# EAGLE board Mk4 Final Panel 6up 3x2 (EAGLE 9.0.1), part 3 of 18
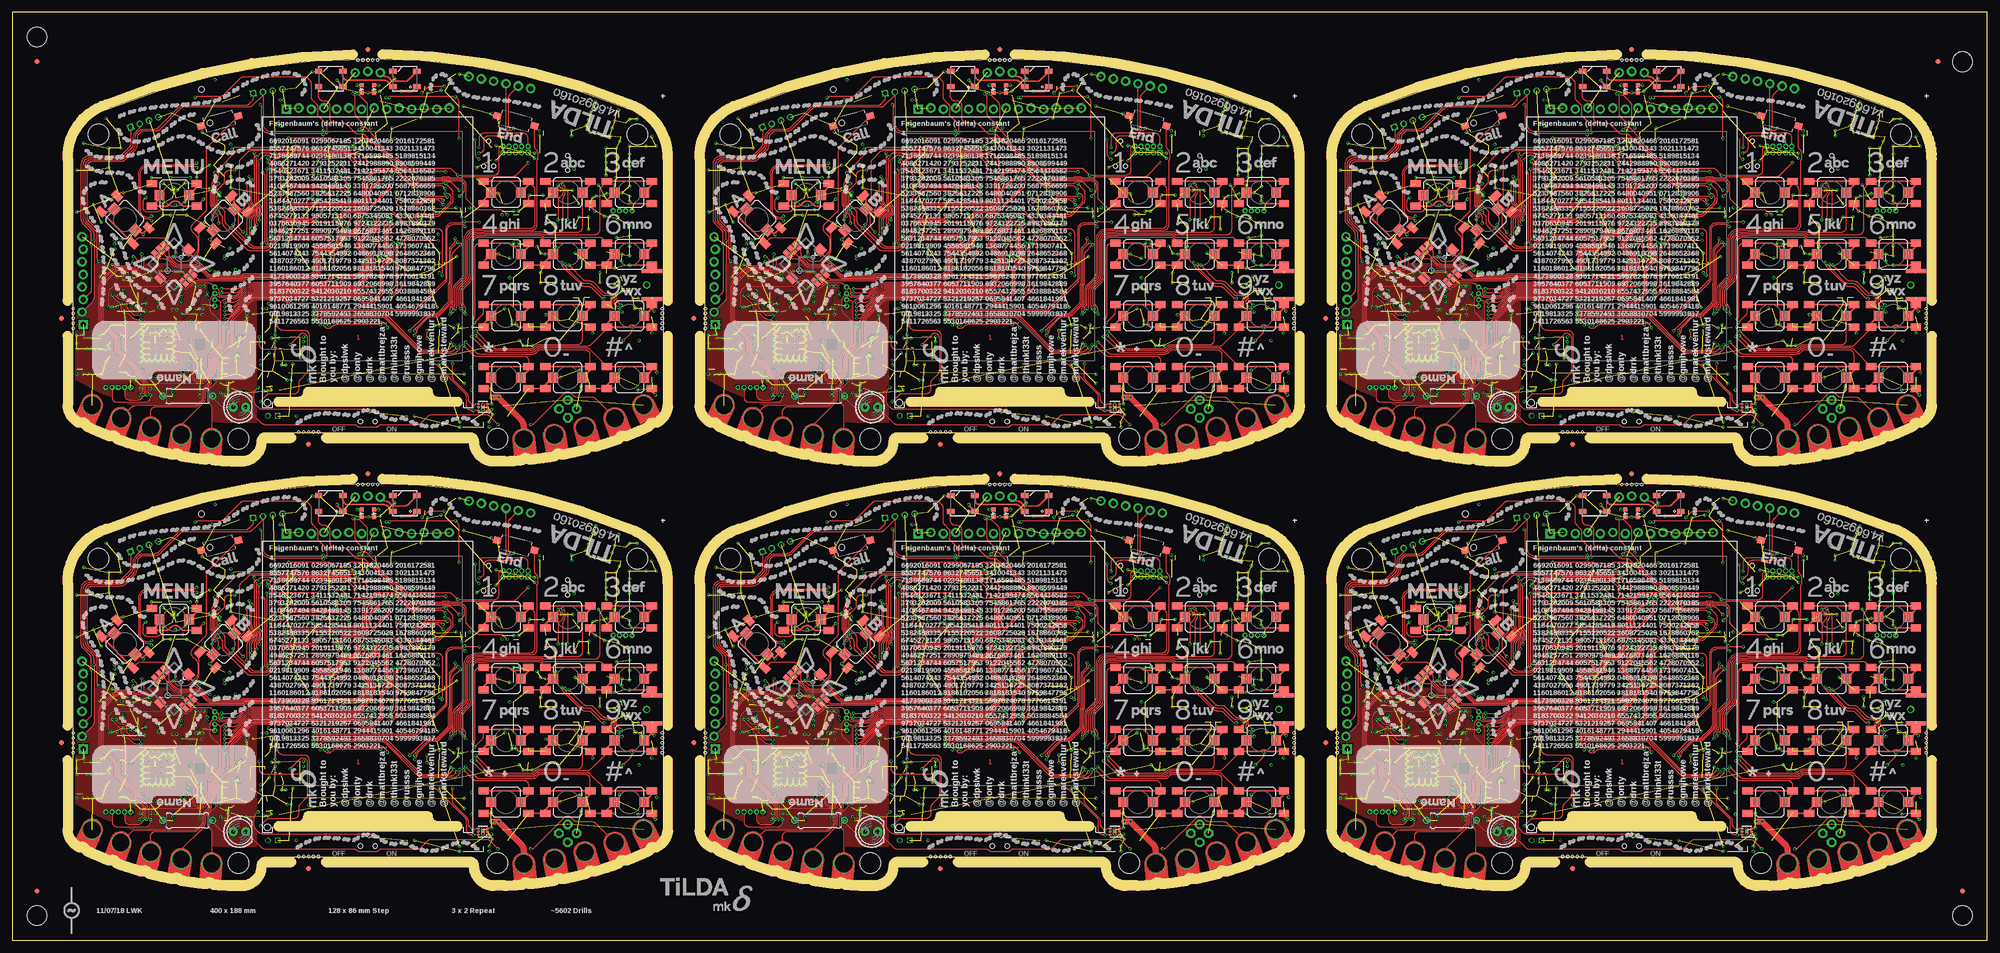
[diagram p0: board, top side]
## Placement (x,y rotation side) (continued)
R319  0402/1K/5%  [R0402-SMALLER]  312.5,79.5 270 bottom
R320  0402/1K/5%  [R0402-SMALLER]  313.5,79.5 270 bottom
R321  0402/4K87/5%  [R0402-SMALLER]  318.25,69.25 0 bottom
R322  0402/10K/5%  [R0402-SMALLER]  326.5,77.25 180 bottom
R323  0402/1M/5%  [R0402-SMALLER]  318.75,71.75 90 bottom
R324  0402/2K/5%  [R0402-SMALLER]  331.75,74.95 90 bottom
R325  0402/1M/5%  [R0402-SMALLER]  345.75,90 270 bottom
R326  0402/100R/5%  [R0402-SMALLER]  346.25,86.5 180 bottom
R327  0402/10K/5%  [R0402-SMALLER]  335.5,56.25 270 bottom
R328  0402/10K/5%  [R0402-SMALLER]  346,53.75 90 bottom
R329  [0309/10]  291.5,24.25 180 top
R330  0402/10K/5%  [R0402-SMALLER]  305.75,27.25 90 bottom
R331  0402/10K/5%  [R0402-SMALLER]  313.75,35.25 0 bottom
R332  0402/10K/5%  [R0402-SMALLER]  313.75,34.25 180 bottom
R333  0402/2K/5%  [R0402-SMALLER]  313.75,36.25 180 bottom
R334  0402/10K/5%  [R0402-SMALLER]  309.25,42.5 180 bottom
R335  0402/10K/5%  [R0402-SMALLER]  309.25,41.5 180 bottom
R336  0402/10K/5%  [R0402-SMALLER]  309.75,40 90 bottom
R337  0402/4K7/5%  [R0402-SMALLER]  314.05,60.25 90 bottom
R338  0402/4K7/5%  [R0402-SMALLER]  315.05,60.25 90 bottom
R339  0402/4K7/5%  [R0402-SMALLER]  340.25,61 180 bottom
R340  0402/4K7/5%  [R0402-SMALLER]  340.25,59.75 180 bottom
R341  0402/100K/5%  [R0402-SMALLER]  293,28.75 180 bottom
R342  0402/51R/5%  [R0402-SMALLER]  365.5,64.5 90 bottom
R343  0402/51R/5%  [R0402-SMALLER]  367.5,64.5 90 bottom
R344  0402/51R/5%  [R0402-SMALLER]  368.5,64.5 90 bottom
R345  0402/4K7/5%  [R0402-SMALLER]  374.5,42.75 180 bottom
R346  0402/100K/5%  [R0402-SMALLER]  356.5,41.5 90 bottom
R347  0402/1K/5%  [R0402-SMALLER]  358,53.25 180 bottom
R348  0402/5K6/5%  [R0402-SMALLER]  358,46.25 0 bottom
R349  0402/1K/5%  [R0402-SMALLER]  358,54.25 180 bottom
R350  0402/1K/5%  [R0402-SMALLER]  358,51.25 180 bottom
R351  0402/1K/5%  [R0402-SMALLER]  358,50.25 180 bottom
R352  0402/1K/5%  [R0402-SMALLER]  358,49.25 180 bottom
R353  0402/1K/5%  [R0402-SMALLER]  358,45.25 180 bottom
R354  0402/1K/5%  [R0402-SMALLER]  358,47.25 180 bottom
R355  0402/5K6/5%  [R0402-SMALLER]  358,48.25 0 bottom
R356  0402/5K6/5%  [R0402-SMALLER]  358,52.25 0 bottom
R357  0402/1K/5%  [R0402-SMALLER]  358,44.25 180 bottom
R358  0402/1K/5%  [R0402-SMALLER]  358,43.25 180 bottom
R359  0402/10K/5%  [R0402-SMALLER]  348.75,59 90 bottom
R360  0402/10K/5%  [R0402-SMALLER]  349.75,59 90 bottom
R361  0402/10K/5%  [R0402-SMALLER]  350.25,61.5 180 bottom
R362  0402/22K/5%  [R0402-SMALLER]  348.25,61.5 0 bottom
R363  0402/22K/5%  [R0402-SMALLER]  348.25,60.5 0 bottom
R364  0402/14K7/5%  [R0402-SMALLER]  348.5,70.75 180 bottom
R365  0402/7K87/5%  [R0402-SMALLER]  346.5,70.75 0 bottom
R366  0402/10K/5%  [R0402-SMALLER]  353.5,66.5 270 bottom
R367  0402/10K/5%  [R0402-SMALLER]  355.75,61.75 180 bottom
R368  0402/10K/5%  [R0402-SMALLER]  362.25,71.5 180 bottom
R369  0402/150K/1%  [R0402-SMALLER]  289.95,71.45 0 bottom
R370  0402/150K/1%  [R0402-SMALLER]  289.95,70.45 0 bottom
R371  0402/10K/5%  [R0402-SMALLER]  372,25.75 90 bottom
R372  0402/732K/5%  [R0402-SMALLER]  296.95,26.35 270 bottom
R373  0402/162K/5%  [R0402-SMALLER]  297.95,26.35 90 bottom
R374  0402/10K/5%  [R0402-SMALLER]  280,28.75 270 bottom
R375  0402/100K/5%  [R0402-SMALLER]  277.25,47.2 90 bottom
R376  0402/100K/5%  [R0402-SMALLER]  278.25,47.2 90 bottom
R377  0402/100K/5%  [R0402-SMALLER]  281,28.75 270 bottom
R378  0402/10K/5%  [R0402-SMALLER]  276.5,52.25 90 bottom
R379  0402/100K/5%  [R0402-SMALLER]  279,49.25 180 bottom
R380  0402/100K/5%  [R0402-SMALLER]  293,31.75 180 bottom
R381  0402/100K/5%  [R0402-SMALLER]  293,29.75 180 bottom
R382  0402/100K/5%  [R0402-SMALLER]  294.75,38.5 90 bottom
R383  0402/100K/5%  [R0402-SMALLER]  286.5,28.25 270 bottom
R384  0402/100K/5%  [R0402-SMALLER]  282,27 270 bottom
R385  0402/100K/5%  [R0402-SMALLER]  277.25,41 90 bottom
R386  0402/10K/5%  [R0402-SMALLER]  342,39.75 90 bottom
R387  0402/150K/1%  [R0402-SMALLER]  289.95,72.4 0 bottom
R388  0402/150K/1%  [R0402-SMALLER]  290,69.5 0 bottom
R389  0402/10K/5%  [R0402-SMALLER]  286.75,68.5 0 bottom
R390  0402/0R/5%  [R0402-SMALLER]  289,73.5 180 bottom
R469  0402/12R/5%  [R0402-SMALLER]  340.5,137 270 bottom
R470  0402/12R/5%  [R0402-SMALLER]  339.5,137 270 bottom
R471  0402/12R/5%  [R0402-SMALLER]  338.5,137 270 bottom
R472  0402/12R/5%  [R0402-SMALLER]  337.5,137 270 bottom
R473  0402/2K/5%  [R0402-SMALLER]  329.27,172.5 270 bottom
R474  0402/4K7/5%  [R0402-SMALLER]  326.73,172.5 270 bottom
R475  0402/1K/5%  [R0402-SMALLER]  312.5,165.5 270 bottom
R476  0402/1K/5%  [R0402-SMALLER]  313.5,165.5 270 bottom
R477  0402/4K87/5%  [R0402-SMALLER]  318.25,155.25 0 bottom
R478  0402/10K/5%  [R0402-SMALLER]  326.5,163.25 180 bottom
R479  0402/1M/5%  [R0402-SMALLER]  318.75,157.75 90 bottom
R480  0402/2K/5%  [R0402-SMALLER]  331.75,160.95 90 bottom
R481  0402/1M/5%  [R0402-SMALLER]  345.75,176 270 bottom
R482  0402/100R/5%  [R0402-SMALLER]  346.25,172.5 180 bottom
R483  0402/10K/5%  [R0402-SMALLER]  335.5,142.25 270 bottom
R484  0402/10K/5%  [R0402-SMALLER]  346,139.75 90 bottom
R485  [0309/10]  291.5,110.25 180 top
R486  0402/10K/5%  [R0402-SMALLER]  305.75,113.25 90 bottom
R487  0402/10K/5%  [R0402-SMALLER]  313.75,121.25 0 bottom
R488  0402/10K/5%  [R0402-SMALLER]  313.75,120.25 180 bottom
R489  0402/2K/5%  [R0402-SMALLER]  313.75,122.25 180 bottom
R490  0402/10K/5%  [R0402-SMALLER]  309.25,128.5 180 bottom
R491  0402/10K/5%  [R0402-SMALLER]  309.25,127.5 180 bottom
R492  0402/10K/5%  [R0402-SMALLER]  309.75,126 90 bottom
R493  0402/4K7/5%  [R0402-SMALLER]  314.05,146.25 90 bottom
R494  0402/4K7/5%  [R0402-SMALLER]  315.05,146.25 90 bottom
R495  0402/4K7/5%  [R0402-SMALLER]  340.25,147 180 bottom
R496  0402/4K7/5%  [R0402-SMALLER]  340.25,145.75 180 bottom
R497  0402/100K/5%  [R0402-SMALLER]  293,114.75 180 bottom
R498  0402/51R/5%  [R0402-SMALLER]  365.5,150.5 90 bottom
R499  0402/51R/5%  [R0402-SMALLER]  367.5,150.5 90 bottom
R500  0402/51R/5%  [R0402-SMALLER]  368.5,150.5 90 bottom
R501  0402/4K7/5%  [R0402-SMALLER]  374.5,128.75 180 bottom
R502  0402/100K/5%  [R0402-SMALLER]  356.5,127.5 90 bottom
R503  0402/1K/5%  [R0402-SMALLER]  358,139.25 180 bottom
R504  0402/5K6/5%  [R0402-SMALLER]  358,132.25 0 bottom
R505  0402/1K/5%  [R0402-SMALLER]  358,140.25 180 bottom
R506  0402/1K/5%  [R0402-SMALLER]  358,137.25 180 bottom
R507  0402/1K/5%  [R0402-SMALLER]  358,136.25 180 bottom
R508  0402/1K/5%  [R0402-SMALLER]  358,135.25 180 bottom
R509  0402/1K/5%  [R0402-SMALLER]  358,131.25 180 bottom
R510  0402/1K/5%  [R0402-SMALLER]  358,133.25 180 bottom
R511  0402/5K6/5%  [R0402-SMALLER]  358,134.25 0 bottom
R512  0402/5K6/5%  [R0402-SMALLER]  358,138.25 0 bottom
R513  0402/1K/5%  [R0402-SMALLER]  358,130.25 180 bottom
R514  0402/1K/5%  [R0402-SMALLER]  358,129.25 180 bottom
R515  0402/10K/5%  [R0402-SMALLER]  348.75,145 90 bottom
R516  0402/10K/5%  [R0402-SMALLER]  349.75,145 90 bottom
R517  0402/10K/5%  [R0402-SMALLER]  350.25,147.5 180 bottom
R518  0402/22K/5%  [R0402-SMALLER]  348.25,147.5 0 bottom
R519  0402/22K/5%  [R0402-SMALLER]  348.25,146.5 0 bottom
R520  0402/14K7/5%  [R0402-SMALLER]  348.5,156.75 180 bottom
R521  0402/7K87/5%  [R0402-SMALLER]  346.5,156.75 0 bottom
R522  0402/10K/5%  [R0402-SMALLER]  353.5,152.5 270 bottom
R523  0402/10K/5%  [R0402-SMALLER]  355.75,147.75 180 bottom
R524  0402/10K/5%  [R0402-SMALLER]  362.25,157.5 180 bottom
R525  0402/150K/1%  [R0402-SMALLER]  289.95,157.45 0 bottom
R526  0402/150K/1%  [R0402-SMALLER]  289.95,156.45 0 bottom
R527  0402/10K/5%  [R0402-SMALLER]  372,111.75 90 bottom
R528  0402/732K/5%  [R0402-SMALLER]  296.95,112.35 270 bottom
R529  0402/162K/5%  [R0402-SMALLER]  297.95,112.35 90 bottom
R530  0402/10K/5%  [R0402-SMALLER]  280,114.75 270 bottom
R531  0402/100K/5%  [R0402-SMALLER]  277.25,133.2 90 bottom
R532  0402/100K/5%  [R0402-SMALLER]  278.25,133.2 90 bottom
R533  0402/100K/5%  [R0402-SMALLER]  281,114.75 270 bottom
R534  0402/10K/5%  [R0402-SMALLER]  276.5,138.25 90 bottom
R535  0402/100K/5%  [R0402-SMALLER]  279,135.25 180 bottom
R536  0402/100K/5%  [R0402-SMALLER]  293,117.75 180 bottom
R537  0402/100K/5%  [R0402-SMALLER]  293,115.75 180 bottom
R538  0402/100K/5%  [R0402-SMALLER]  294.75,124.5 90 bottom
R539  0402/100K/5%  [R0402-SMALLER]  286.5,114.25 270 bottom
R540  0402/100K/5%  [R0402-SMALLER]  282,113 270 bottom
R541  0402/100K/5%  [R0402-SMALLER]  277.25,127 90 bottom
R542  0402/10K/5%  [R0402-SMALLER]  342,125.75 90 bottom
R543  0402/150K/1%  [R0402-SMALLER]  289.95,158.4 0 bottom
R544  0402/150K/1%  [R0402-SMALLER]  290,155.5 0 bottom
R545  0402/10K/5%  [R0402-SMALLER]  286.75,154.5 0 bottom
R546  0402/0R/5%  [R0402-SMALLER]  289,159.5 180 bottom
S1  SKPMAPE010  [SKPMAPE010-COMBINED]  100,65.5 0 top
S2  SKPMAPE010  [SKPMAPE010-COMBINED]  112.5,65.5 0 top
S3  SKPMAPE010  [SKPMAPE010-COMBINED]  125,65.5 0 top
S4  SKPMAPE010  [SKPMAPE010-COMBINED]  100,53 0 top
S5  SKPMAPE010  [SKPMAPE010-COMBINED]  112.5,53 0 top
S6  SKPMAPE010  [SKPMAPE010-COMBINED]  125,53 0 top
S7  SKPMAPE010  [SKPMAPE010-COMBINED]  100,40.5 0 top
S8  SKPMAPE010  [SKPMAPE010-COMBINED]  112.5,40.5 0 top
S9  SKPMAPE010  [SKPMAPE010-COMBINED]  125,40.5 180 top
S10  SKPMAPE010  [SKPMAPE010-COMBINED]  100,28 0 top
S11  SKPMAPE010  [SKPMAPE010-COMBINED]  112.5,28 0 top
S12  SKPMAPE010  [SKPMAPE010-COMBINED]  125,28 0 top
S13  SKPMAPE010  [SKPMAPE010-COMBINED]  22.8,60 135 top
S14  SKPMAPE010  [SKPMAPE010-COMBINED]  32.8,65 180 top
S15  SKPMAPE010  [SKPMAPE010-COMBINED]  42.8,60 45 top
S16  3X6X2.5  [TACTILE_SWITCH_SMD_3X6X2.5H]  42,80 15 top
S17  3X6X2.5  [TACTILE_SWITCH_SMD_3X6X2.5H]  102,80 345 top
S18  CUS-12TB  [SWITCH-SPST-SMD-A]  72,19.1 180 bottom
S19  3X6X2.5  [TACTILE_SWITCH_SMD_3X6X2.5H]  84,20.25 180 bottom
S20  3X6X2.5  [TACTILE_SWITCH_SMD_3X6X2.5H]  60,20.25 180 bottom
S21  SKPMAPE010  [SKPMAPE010-COMBINED]  228,65.5 0 top
S22  AYZ0202AGRLC  [AYZ-JS-COMBINED]  112.5,71.5 90 bottom
S23  SKPMAPE010  [SKPMAPE010-COMBINED]  228,53 0 top
S24  SKPMAPE010  [SKPMAPE010-COMBINED]  228,40.5 0 top
S25  SKPMAPE010  [SKPMAPE010-COMBINED]  228,28 0 top
S26  SKPMAPE010  [SKPMAPE010-COMBINED]  240.5,65.5 0 top
S27  SKPMAPE010  [SKPMAPE010-COMBINED]  240.5,53 0 top
S28  SKPMAPE010  [SKPMAPE010-COMBINED]  240.5,40.5 0 top
S29  SKPMAPE010  [SKPMAPE010-COMBINED]  240.5,28 0 top
S30  SKPMAPE010  [SKPMAPE010-COMBINED]  253,65.5 0 top
S31  SKPMAPE010  [SKPMAPE010-COMBINED]  253,53 0 top
S32  SKPMAPE010  [SKPMAPE010-COMBINED]  253,40.5 180 top
S33  SKPMAPE010  [SKPMAPE010-COMBINED]  253,28 0 top
S34  SKPMAPE010  [SKPMAPE010-COMBINED]  170.8,60 45 top
S35  SKPMAPE010  [SKPMAPE010-COMBINED]  150.8,60 135 top
S36  SKPMAPE010  [SKPMAPE010-COMBINED]  160.8,65 180 top
S37  3X6X2.5  [TACTILE_SWITCH_SMD_3X6X2.5H]  170,80 15 top
S38  3X6X2.5  [TACTILE_SWITCH_SMD_3X6X2.5H]  230,80 345 top
S39  CUS-12TB  [SWITCH-SPST-SMD-A]  200,19.1 180 bottom
S40  3X6X2.5  [TACTILE_SWITCH_SMD_3X6X2.5H]  212,20.25 180 bottom
S41  3X6X2.5  [TACTILE_SWITCH_SMD_3X6X2.5H]  188,20.25 180 bottom
S42  AYZ0202AGRLC  [AYZ-JS-COMBINED]  240.5,71.5 90 bottom
S43  SKPMAPE010  [SKPMAPE010-COMBINED]  100,151.5 0 top
S44  SKPMAPE010  [SKPMAPE010-COMBINED]  100,139 0 top
S45  SKPMAPE010  [SKPMAPE010-COMBINED]  100,126.5 0 top
S46  SKPMAPE010  [SKPMAPE010-COMBINED]  100,114 0 top
S47  SKPMAPE010  [SKPMAPE010-COMBINED]  112.5,151.5 0 top
S48  SKPMAPE010  [SKPMAPE010-COMBINED]  112.5,139 0 top
S49  SKPMAPE010  [SKPMAPE010-COMBINED]  112.5,126.5 0 top
S50  SKPMAPE010  [SKPMAPE010-COMBINED]  112.5,114 0 top
S51  SKPMAPE010  [SKPMAPE010-COMBINED]  125,151.5 0 top
S52  SKPMAPE010  [SKPMAPE010-COMBINED]  125,139 0 top
S53  SKPMAPE010  [SKPMAPE010-COMBINED]  125,126.5 180 top
S54  SKPMAPE010  [SKPMAPE010-COMBINED]  125,114 0 top
S55  SKPMAPE010  [SKPMAPE010-COMBINED]  42.8,146 45 top
S56  SKPMAPE010  [SKPMAPE010-COMBINED]  22.8,146 135 top
S57  SKPMAPE010  [SKPMAPE010-COMBINED]  32.8,151 180 top
S58  3X6X2.5  [TACTILE_SWITCH_SMD_3X6X2.5H]  42,166 15 top
S59  3X6X2.5  [TACTILE_SWITCH_SMD_3X6X2.5H]  102,166 345 top
S60  CUS-12TB  [SWITCH-SPST-SMD-A]  72,105.1 180 bottom
S61  3X6X2.5  [TACTILE_SWITCH_SMD_3X6X2.5H]  84,106.25 180 bottom
S62  3X6X2.5  [TACTILE_SWITCH_SMD_3X6X2.5H]  60,106.25 180 bottom
S63  AYZ0202AGRLC  [AYZ-JS-COMBINED]  112.5,157.5 90 bottom
S64  SKPMAPE010  [SKPMAPE010-COMBINED]  228,151.5 0 top
S65  SKPMAPE010  [SKPMAPE010-COMBINED]  228,139 0 top
S66  SKPMAPE010  [SKPMAPE010-COMBINED]  228,126.5 0 top
S67  SKPMAPE010  [SKPMAPE010-COMBINED]  228,114 0 top
S68  SKPMAPE010  [SKPMAPE010-COMBINED]  240.5,151.5 0 top
S69  SKPMAPE010  [SKPMAPE010-COMBINED]  240.5,139 0 top
S70  SKPMAPE010  [SKPMAPE010-COMBINED]  240.5,126.5 0 top
S71  SKPMAPE010  [SKPMAPE010-COMBINED]  240.5,114 0 top
S72  SKPMAPE010  [SKPMAPE010-COMBINED]  253,151.5 0 top
S73  SKPMAPE010  [SKPMAPE010-COMBINED]  253,139 0 top
S74  SKPMAPE010  [SKPMAPE010-COMBINED]  253,126.5 180 top
S75  SKPMAPE010  [SKPMAPE010-COMBINED]  253,114 0 top
S76  SKPMAPE010  [SKPMAPE010-COMBINED]  170.8,146 45 top
S77  SKPMAPE010  [SKPMAPE010-COMBINED]  150.8,146 135 top
S78  SKPMAPE010  [SKPMAPE010-COMBINED]  160.8,151 180 top
S79  3X6X2.5  [TACTILE_SWITCH_SMD_3X6X2.5H]  170,166 15 top
S80  3X6X2.5  [TACTILE_SWITCH_SMD_3X6X2.5H]  230,166 345 top
S81  CUS-12TB  [SWITCH-SPST-SMD-A]  200,105.1 180 bottom
S82  3X6X2.5  [TACTILE_SWITCH_SMD_3X6X2.5H]  212,106.25 180 bottom
S83  3X6X2.5  [TACTILE_SWITCH_SMD_3X6X2.5H]  188,106.25 180 bottom
S84  AYZ0202AGRLC  [AYZ-JS-COMBINED]  240.5,157.5 90 bottom
S85  SKPMAPE010  [SKPMAPE010-COMBINED]  356,65.5 0 top
S86  SKPMAPE010  [SKPMAPE010-COMBINED]  356,53 0 top
S87  SKPMAPE010  [SKPMAPE010-COMBINED]  356,40.5 0 top
S88  SKPMAPE010  [SKPMAPE010-COMBINED]  356,28 0 top
S89  SKPMAPE010  [SKPMAPE010-COMBINED]  368.5,65.5 0 top
S90  SKPMAPE010  [SKPMAPE010-COMBINED]  368.5,53 0 top
S91  SKPMAPE010  [SKPMAPE010-COMBINED]  368.5,40.5 0 top
S92  SKPMAPE010  [SKPMAPE010-COMBINED]  368.5,28 0 top
S93  SKPMAPE010  [SKPMAPE010-COMBINED]  381,65.5 0 top
S94  SKPMAPE010  [SKPMAPE010-COMBINED]  381,53 0 top
S95  SKPMAPE010  [SKPMAPE010-COMBINED]  381,40.5 180 top
S96  SKPMAPE010  [SKPMAPE010-COMBINED]  381,28 0 top
S97  SKPMAPE010  [SKPMAPE010-COMBINED]  298.8,60 45 top
S98  SKPMAPE010  [SKPMAPE010-COMBINED]  278.8,60 135 top
S99  SKPMAPE010  [SKPMAPE010-COMBINED]  288.8,65 180 top
S100  3X6X2.5  [TACTILE_SWITCH_SMD_3X6X2.5H]  298,80 15 top
S101  3X6X2.5  [TACTILE_SWITCH_SMD_3X6X2.5H]  358,80 345 top
S102  CUS-12TB  [SWITCH-SPST-SMD-A]  328,19.1 180 bottom
S103  3X6X2.5  [TACTILE_SWITCH_SMD_3X6X2.5H]  340,20.25 180 bottom
S104  3X6X2.5  [TACTILE_SWITCH_SMD_3X6X2.5H]  316,20.25 180 bottom
S105  AYZ0202AGRLC  [AYZ-JS-COMBINED]  368.5,71.5 90 bottom
S127  SKPMAPE010  [SKPMAPE010-COMBINED]  356,151.5 0 top
S128  SKPMAPE010  [SKPMAPE010-COMBINED]  356,139 0 top
S129  SKPMAPE010  [SKPMAPE010-COMBINED]  356,126.5 0 top
S130  SKPMAPE010  [SKPMAPE010-COMBINED]  356,114 0 top
S131  SKPMAPE010  [SKPMAPE010-COMBINED]  368.5,151.5 0 top
S132  SKPMAPE010  [SKPMAPE010-COMBINED]  368.5,139 0 top
S133  SKPMAPE010  [SKPMAPE010-COMBINED]  368.5,126.5 0 top
S134  SKPMAPE010  [SKPMAPE010-COMBINED]  368.5,114 0 top
S135  SKPMAPE010  [SKPMAPE010-COMBINED]  381,151.5 0 top
S136  SKPMAPE010  [SKPMAPE010-COMBINED]  381,139 0 top
S137  SKPMAPE010  [SKPMAPE010-COMBINED]  381,126.5 180 top
S138  SKPMAPE010  [SKPMAPE010-COMBINED]  381,114 0 top
S139  SKPMAPE010  [SKPMAPE010-COMBINED]  298.8,146 45 top
S140  SKPMAPE010  [SKPMAPE010-COMBINED]  278.8,146 135 top
S141  SKPMAPE010  [SKPMAPE010-COMBINED]  288.8,151 180 top
S142  3X6X2.5  [TACTILE_SWITCH_SMD_3X6X2.5H]  298,166 15 top
S143  3X6X2.5  [TACTILE_SWITCH_SMD_3X6X2.5H]  358,166 345 top
S144  CUS-12TB  [SWITCH-SPST-SMD-A]  328,105.1 180 bottom
S145  3X6X2.5  [TACTILE_SWITCH_SMD_3X6X2.5H]  340,106.25 180 bottom
S146  3X6X2.5  [TACTILE_SWITCH_SMD_3X6X2.5H]  316,106.25 180 bottom
S147  AYZ0202AGRLC  [AYZ-JS-COMBINED]  368.5,157.5 90 bottom
SW1  JOYSTICK  [JOYSTICK_MULTICOMP_NOSILK]  32.8,51 315 top
SW2  JOYSTICK  [JOYSTICK_MULTICOMP_NOSILK]  160.8,51 315 top
SW3  JOYSTICK  [JOYSTICK_MULTICOMP_NOSILK]  32.8,137 315 top
SW4  JOYSTICK  [JOYSTICK_MULTICOMP_NOSILK]  160.8,137 315 top
SW5  JOYSTICK  [JOYSTICK_MULTICOMP_NOSILK]  288.8,51 315 top
SW7  JOYSTICK  [JOYSTICK_MULTICOMP_NOSILK]  288.8,137 315 top
TP1  TP  [B1,27]  64.4,72.7 0 bottom
TP2  TP  [B1,27]  100,53.5 0 bottom
TP3  TP  [B1,27]  99.5,51.75 0 bottom
TP4  TP  [B1,27]  98.25,50.5 0 bottom
TP5  TP  [B1,27]  99.75,49.25 0 bottom
TP6  TP  [B1,27]  90,88 270 bottom
TP7  TP  [B1,27]  75.75,86 0 bottom
TP8  TP  [B1,27]  99.75,47.25 0 bottom
TP9  TP  [B1,27]  99.75,45.25 0 bottom
TP10  TP  [B1,27]  100,55.25 0 bottom
TP11  TP  [B1,27]  98,44.5 0 bottom
TP12  TP  [B1,27]  98.5,42.75 0 bottom
TP13  TP  [B1,27]  98.5,41 0 bottom
TP14  TP  [B1,27]  56,29 0 bottom
TP15  TP  [B1,27]  54,25.5 0 bottom
TP16  TP  [B1,27]  45.5,34 0 bottom
TP17  TP  [B1,27]  43.75,34 0 bottom
TP18  TP  [B1,27]  58,27.5 0 bottom
TP19  TP  [P1-06-OCT-CAN]  34.6,29.2 0 bottom
TP20  TP  [B1,27]  192.4,72.7 0 bottom
TP21  TP  [B1,27]  228,53.5 0 bottom
TP22  TP  [B1,27]  227.5,51.75 0 bottom
TP23  TP  [B1,27]  226.25,50.5 0 bottom
TP24  TP  [B1,27]  227.75,49.25 0 bottom
TP25  TP  [B1,27]  218,88 270 bottom
TP26  TP  [B1,27]  203.75,86 0 bottom
TP27  TP  [B1,27]  227.75,47.25 0 bottom
TP28  TP  [B1,27]  227.75,45.25 0 bottom
TP29  TP  [B1,27]  228,55.25 0 bottom
TP30  TP  [B1,27]  226,44.5 0 bottom
TP31  TP  [B1,27]  226.5,42.75 0 bottom
TP32  TP  [B1,27]  226.5,41 0 bottom
TP33  TP  [B1,27]  184,29 0 bottom
TP34  TP  [B1,27]  182,25.5 0 bottom
TP35  TP  [B1,27]  173.5,34 0 bottom
TP36  TP  [B1,27]  171.75,34 0 bottom
TP37  TP  [B1,27]  186,27.5 0 bottom
TP38  TP  [P1-06-OCT-CAN]  162.6,29.2 0 bottom
TP39  TP  [B1,27]  64.4,158.7 0 bottom
TP40  TP  [B1,27]  100,139.5 0 bottom
TP41  TP  [B1,27]  99.5,137.75 0 bottom
TP42  TP  [B1,27]  98.25,136.5 0 bottom
TP43  TP  [B1,27]  99.75,135.25 0 bottom
TP44  TP  [B1,27]  90,174 270 bottom
TP45  TP  [B1,27]  75.75,172 0 bottom
TP46  TP  [B1,27]  99.75,133.25 0 bottom
TP47  TP  [B1,27]  99.75,131.25 0 bottom
TP48  TP  [B1,27]  100,141.25 0 bottom
TP49  TP  [B1,27]  98,130.5 0 bottom
TP50  TP  [B1,27]  98.5,128.75 0 bottom
TP51  TP  [B1,27]  98.5,127 0 bottom
TP52  TP  [B1,27]  56,115 0 bottom
TP53  TP  [B1,27]  54,111.5 0 bottom
TP54  TP  [B1,27]  45.5,120 0 bottom
TP55  TP  [B1,27]  43.75,120 0 bottom
TP56  TP  [B1,27]  58,113.5 0 bottom
TP57  TP  [P1-06-OCT-CAN]  34.6,115.2 0 bottom
TP58  TP  [B1,27]  192.4,158.7 0 bottom
TP59  TP  [B1,27]  228,139.5 0 bottom
TP60  TP  [B1,27]  227.5,137.75 0 bottom
TP61  TP  [B1,27]  226.25,136.5 0 bottom
TP62  TP  [B1,27]  227.75,135.25 0 bottom
TP63  TP  [B1,27]  218,174 270 bottom
TP64  TP  [B1,27]  203.75,172 0 bottom
TP65  TP  [B1,27]  227.75,133.25 0 bottom
TP66  TP  [B1,27]  227.75,131.25 0 bottom
TP67  TP  [B1,27]  228,141.25 0 bottom
TP68  TP  [B1,27]  226,130.5 0 bottom
TP69  TP  [B1,27]  226.5,128.75 0 bottom
TP70  TP  [B1,27]  226.5,127 0 bottom
TP71  TP  [B1,27]  184,115 0 bottom
TP72  TP  [B1,27]  182,111.5 0 bottom
TP73  TP  [B1,27]  173.5,120 0 bottom
TP74  TP  [B1,27]  171.75,120 0 bottom
TP75  TP  [B1,27]  186,113.5 0 bottom
TP76  TP  [P1-06-OCT-CAN]  162.6,115.2 0 bottom
TP77  TP  [B1,27]  320.4,72.7 0 bottom
TP78  TP  [B1,27]  356,53.5 0 bottom
TP79  TP  [B1,27]  355.5,51.75 0 bottom
TP80  TP  [B1,27]  354.25,50.5 0 bottom
TP81  TP  [B1,27]  355.75,49.25 0 bottom
TP82  TP  [B1,27]  346,88 270 bottom
TP83  TP  [B1,27]  331.75,86 0 bottom
TP84  TP  [B1,27]  355.75,47.25 0 bottom
TP85  TP  [B1,27]  355.75,45.25 0 bottom
TP86  TP  [B1,27]  356,55.25 0 bottom
TP87  TP  [B1,27]  354,44.5 0 bottom
TP88  TP  [B1,27]  354.5,42.75 0 bottom
TP89  TP  [B1,27]  354.5,41 0 bottom
TP90  TP  [B1,27]  312,29 0 bottom
TP91  TP  [B1,27]  310,25.5 0 bottom
TP92  TP  [B1,27]  301.5,34 0 bottom
TP93  TP  [B1,27]  299.75,34 0 bottom
TP94  TP  [B1,27]  314,27.5 0 bottom
TP95  TP  [P1-06-OCT-CAN]  290.6,29.2 0 bottom
TP115  TP  [B1,27]  320.4,158.7 0 bottom
TP116  TP  [B1,27]  356,139.5 0 bottom
TP117  TP  [B1,27]  355.5,137.75 0 bottom
TP118  TP  [B1,27]  354.25,136.5 0 bottom
TP119  TP  [B1,27]  355.75,135.25 0 bottom
TP120  TP  [B1,27]  346,174 270 bottom
TP121  TP  [B1,27]  331.75,172 0 bottom
TP122  TP  [B1,27]  355.75,133.25 0 bottom
TP123  TP  [B1,27]  355.75,131.25 0 bottom
TP124  TP  [B1,27]  356,141.25 0 bottom
TP125  TP  [B1,27]  354,130.5 0 bottom
TP126  TP  [B1,27]  354.5,128.75 0 bottom
TP127  TP  [B1,27]  354.5,127 0 bottom
TP128  TP  [B1,27]  312,115 0 bottom
TP129  TP  [B1,27]  310,111.5 0 bottom
TP130  TP  [B1,27]  301.5,120 0 bottom
TP131  TP  [B1,27]  299.75,120 0 bottom
TP132  TP  [B1,27]  314,113.5 0 bottom
TP133  TP  [P1-06-OCT-CAN]  290.6,115.2 0 bottom
U1  ZX62-B-5PA(33)  [USB-AB-MICRO-SMD_LWK]  82.4,90 274 bottom
U2  ZX62-B-5PA(33)  [USB-AB-MICRO-SMD_LWK]  210.4,90 274 bottom
U3  MIC-6MM  [MIC-SMD-6MM]  235.5,82 270 bottom
U4  MIC-6MM  [MIC-SMD-6MM]  107.5,82 270 bottom
U5  LDMS1540S-01-R8-0.8-R  [SPEAKER-15MM-SMD]  20.25,66.5 270 bottom
U6  LDMS1540S-01-R8-0.8-R  [SPEAKER-15MM-SMD]  148.25,66.5 270 bottom
U7  ZX62-B-5PA(33)  [USB-AB-MICRO-SMD_LWK]  82.4,176 274 bottom
U8  MIC-6MM  [MIC-SMD-6MM]  107.5,168 270 bottom
U9  LDMS1540S-01-R8-0.8-R  [SPEAKER-15MM-SMD]  20.25,152.5 270 bottom
U10  ZX62-B-5PA(33)  [USB-AB-MICRO-SMD_LWK]  210.4,176 274 bottom
U11  MIC-6MM  [MIC-SMD-6MM]  235.5,168 270 bottom
U12  LDMS1540S-01-R8-0.8-R  [SPEAKER-15MM-SMD]  148.25,152.5 270 bottom
U13  ZX62-B-5PA(33)  [USB-AB-MICRO-SMD_LWK]  338.4,90 274 bottom
U14  MIC-6MM  [MIC-SMD-6MM]  363.5,82 270 bottom
U15  LDMS1540S-01-R8-0.8-R  [SPEAKER-15MM-SMD]  276.25,66.5 270 bottom
U19  ZX62-B-5PA(33)  [USB-AB-MICRO-SMD_LWK]  338.4,176 274 bottom
U20  MIC-6MM  [MIC-SMD-6MM]  363.5,168 270 bottom
U21  LDMS1540S-01-R8-0.8-R  [SPEAKER-15MM-SMD]  276.25,152.5 270 bottom
U$1  LOGO-SEEEDSTUDIO-SILK  [LOGO_SILK]  190,88 0 bottom
U$2  LOGO-SEEEDSTUDIO-SILK  [LOGO_SILK]  62,174 0 bottom
U$3  LOGO-SEEEDSTUDIO-SILK  [LOGO_SILK]  190,174 0 bottom
U$4  LOGO-SEEEDSTUDIO-SILK  [LOGO_SILK]  318,88 0 bottom
U$5  LOGO-SEEEDSTUDIO-SILK  [LOGO_SILK]  62,88 0 bottom
U$7  LOGO-SEEEDSTUDIO-SILK  [LOGO_SILK]  318,174 0 bottom
X1  ABS07-32.768KHZ-T  [RESONATOR_EPSON_FC_145]  66.4,76.75 180 bottom
X2  ABM8G-25.000MHZ-B4Y-T  [CRYSTAL-3.2-2.5]  74.75,78.55 180 bottom
X3  ABS07-32.768KHZ-T  [RESONATOR_EPSON_FC_145]  38,34.75 90 bottom
X4  ABM8-40.000MHZ-10-1-U-T  [CRYSTAL-3.2-2.5]  20.8,31.25 270 bottom
X5  ABS07-32.768KHZ-T  [RESONATOR_EPSON_FC_145]  194.4,76.75 180 bottom
X6  ABM8G-25.000MHZ-B4Y-T  [CRYSTAL-3.2-2.5]  202.75,78.55 180 bottom
X7  ABS07-32.768KHZ-T  [RESONATOR_EPSON_FC_145]  166,34.75 90 bottom
X8  ABM8-40.000MHZ-10-1-U-T  [CRYSTAL-3.2-2.5]  148.8,31.25 270 bottom
X9  ABS07-32.768KHZ-T  [RESONATOR_EPSON_FC_145]  66.4,162.75 180 bottom
X10  ABM8G-25.000MHZ-B4Y-T  [CRYSTAL-3.2-2.5]  74.75,164.55 180 bottom
X11  ABS07-32.768KHZ-T  [RESONATOR_EPSON_FC_145]  38,120.75 90 bottom
X12  ABM8-40.000MHZ-10-1-U-T  [CRYSTAL-3.2-2.5]  20.8,117.25 270 bottom
X13  ABS07-32.768KHZ-T  [RESONATOR_EPSON_FC_145]  194.4,162.75 180 bottom
X14  ABM8G-25.000MHZ-B4Y-T  [CRYSTAL-3.2-2.5]  202.75,164.55 180 bottom
X15  ABS07-32.768KHZ-T  [RESONATOR_EPSON_FC_145]  166,120.75 90 bottom
X16  ABM8-40.000MHZ-10-1-U-T  [CRYSTAL-3.2-2.5]  148.8,117.25 270 bottom
X17  ABS07-32.768KHZ-T  [RESONATOR_EPSON_FC_145]  322.4,76.75 180 bottom
X18  ABM8G-25.000MHZ-B4Y-T  [CRYSTAL-3.2-2.5]  330.75,78.55 180 bottom
X19  ABS07-32.768KHZ-T  [RESONATOR_EPSON_FC_145]  294,34.75 90 bottom
X20  ABM8-40.000MHZ-10-1-U-T  [CRYSTAL-3.2-2.5]  276.8,31.25 270 bottom
X25  ABS07-32.768KHZ-T  [RESONATOR_EPSON_FC_145]  322.4,162.75 180 bottom
X26  ABM8G-25.000MHZ-B4Y-T  [CRYSTAL-3.2-2.5]  330.75,164.55 180 bottom
X27  ABS07-32.768KHZ-T  [RESONATOR_EPSON_FC_145]  294,120.75 90 bottom
X28  ABM8-40.000MHZ-10-1-U-T  [CRYSTAL-3.2-2.5]  276.8,117.25 270 bottom
